# Altium PCB CRIB.PcbDoc (part 3 of 3)
Units mm, origin at the board's own origin, x right, y up, seen from the top; angles counter-clockwise.
Board outline 75 x 90 mm, 4 copper layers (L1 - Primary, L2 - GND, L3 - GND, L4 - Secondary), stack 1.57 mm thick; 249 components, 139 nets, 718 pads, 392 vias.
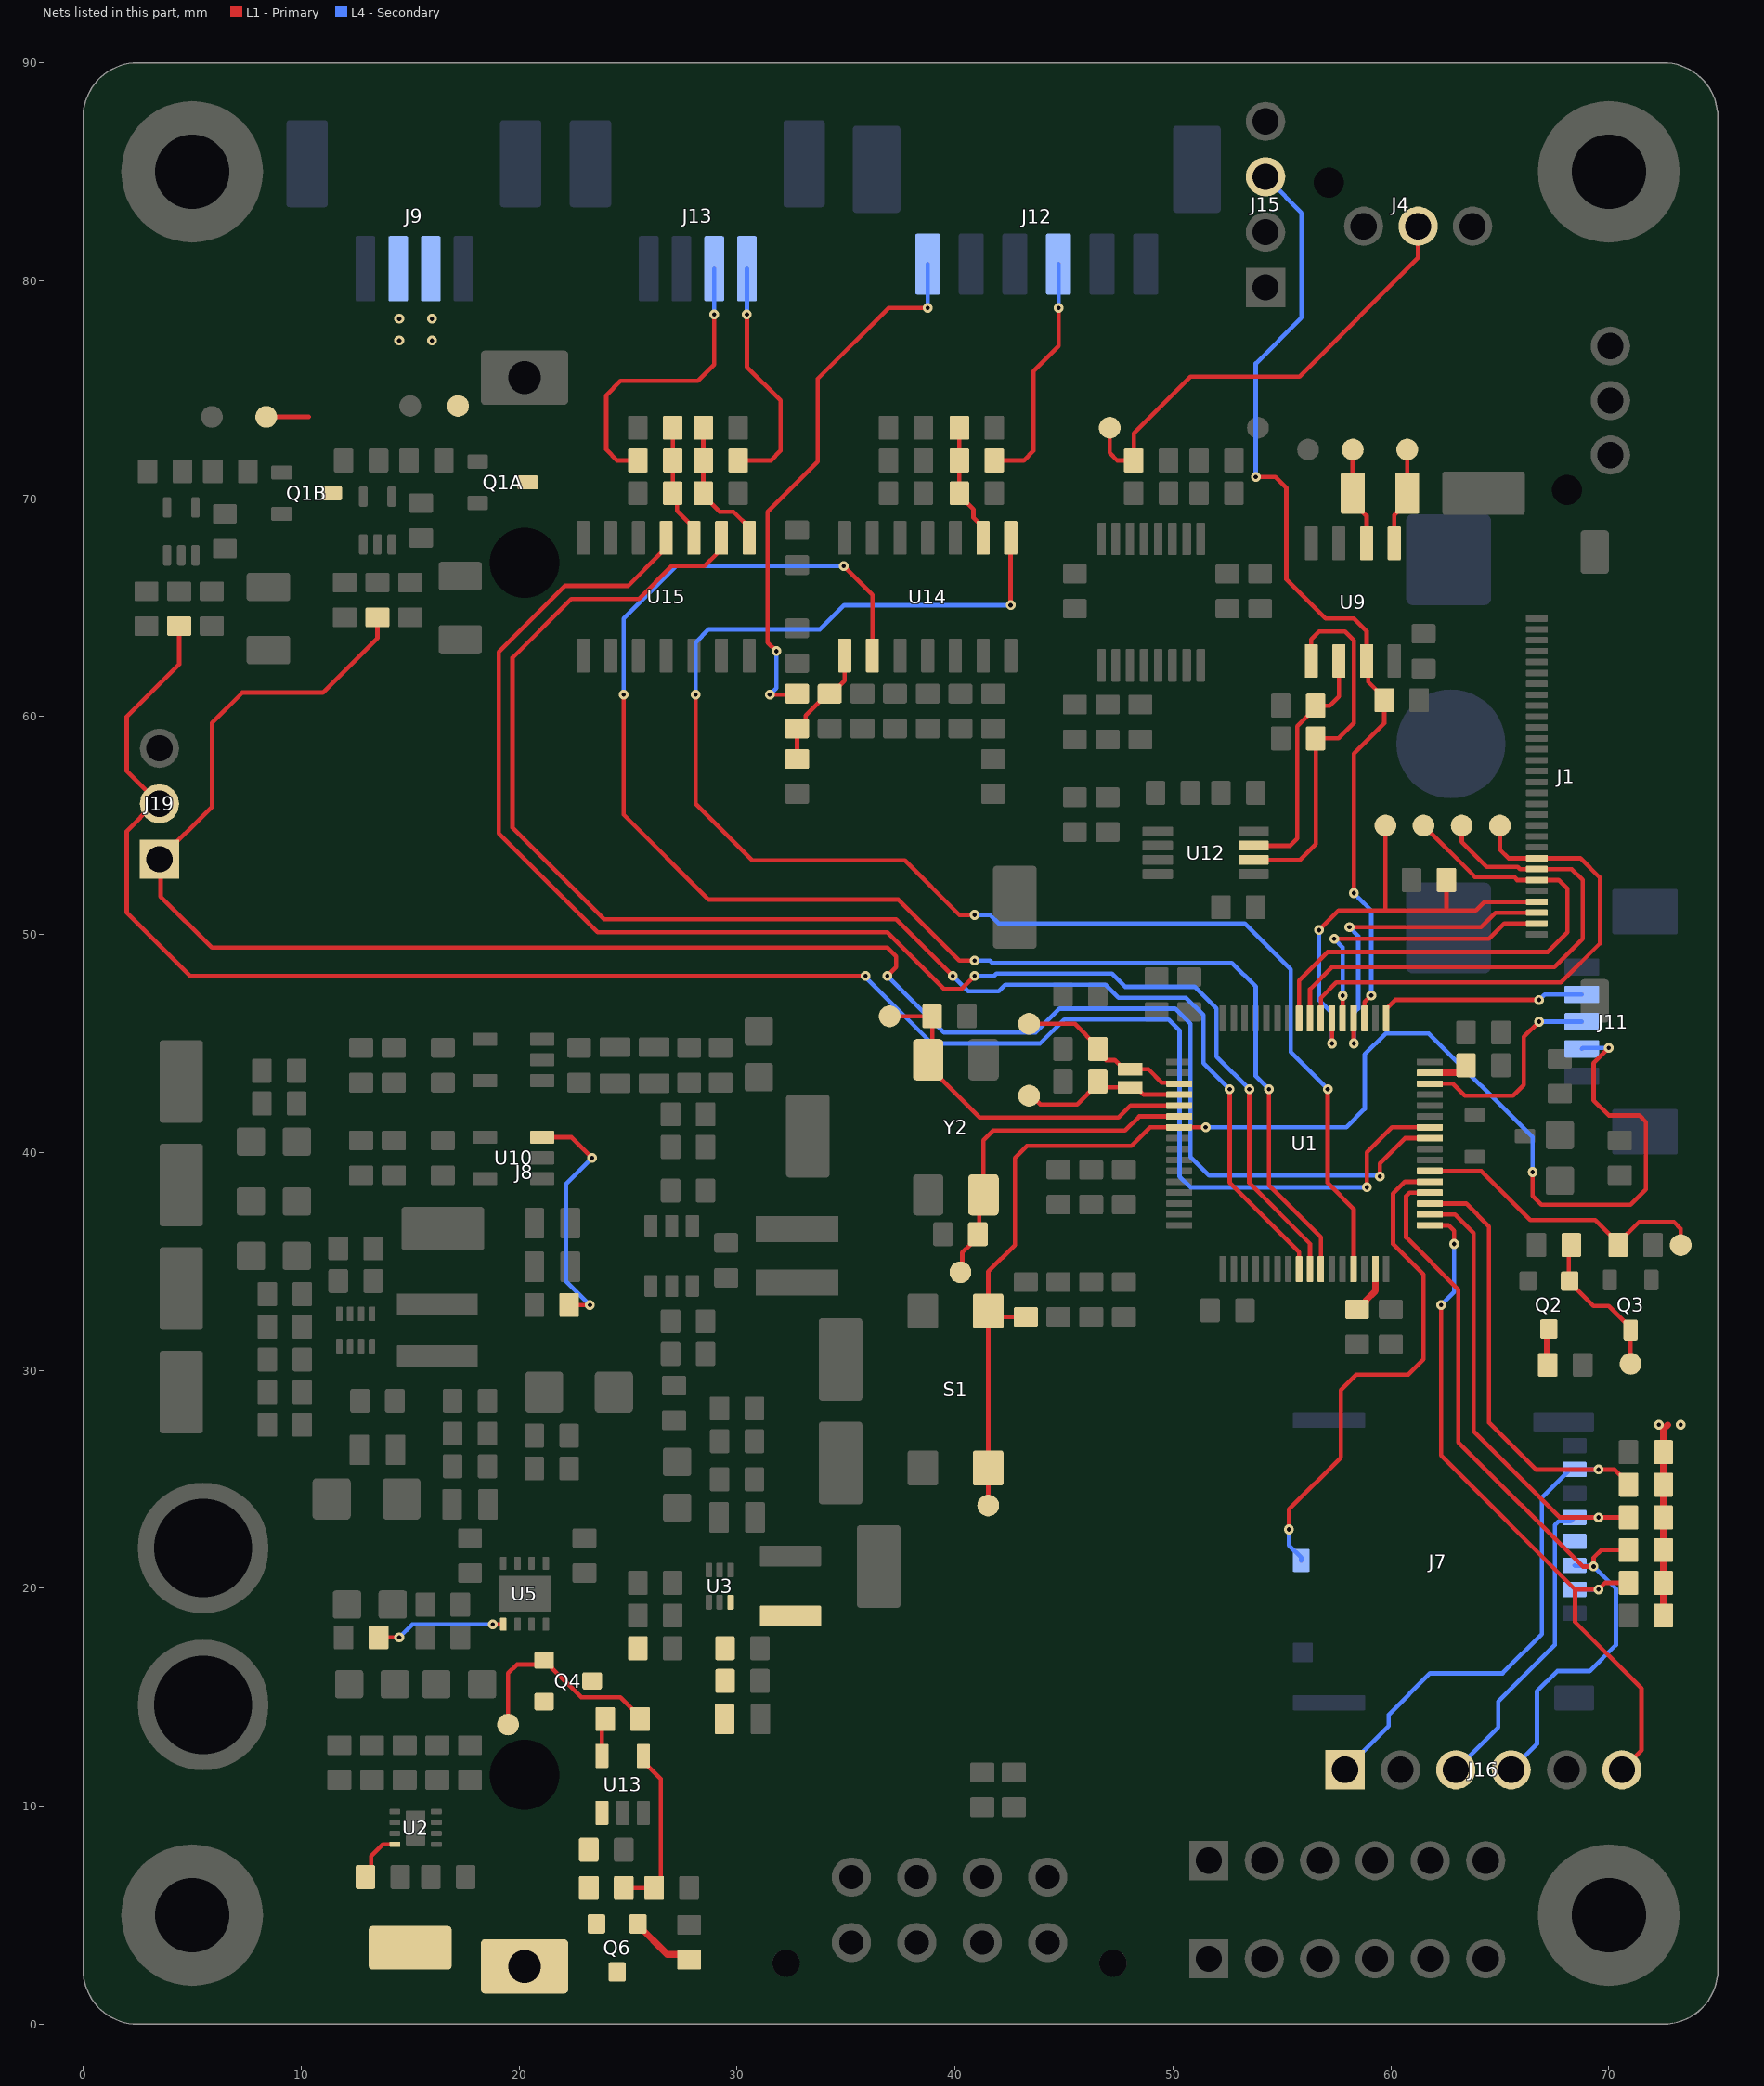
[diagram p5: the nets of this part, all layers, seen from the top]

## Via types
v1: diameter 0.45, hole 0.2, L1 - Primary to L4 - Secondary, tented both sides, 360 vias
v2: diameter 0.6, hole 0.3, L1 - Primary to L4 - Secondary, tented both sides, 32 vias

## Nets (pads, with @x,y where several pads share a name; then routed paths per layer and width w, separated by ;. In a path a pad name is that pad's centre, name@x,y a point inside that pad or via, vN(x,y) a via of type N, cw(c..) or ccw(c..) an arc to the next point about the centre after c; other vN are vias at no path point) (continued)
NetR35_2: R35.2 U10.3 | length 11.3
  L1 - Primary w0.2: U10.3@21.06,40.7 22.4,40.7 v1(23.35,39.75) ; R35.2@22.3,33 v1(23.25,33)
  L4 - Secondary w0.2: v1(23.25,33) 22.16,34.09 22.16,38.56 23,39.4 v1(23.35,39.75)
NRST: J11.4 R52.2 S1.1 S1.2 TP13.1 U1.7 | length 66.1
  L1 - Primary w0.2: TP13.1@41.526,23.8 S1.1@41.526,25.52 S1.2@41.526,32.72 ; R52.2@43.25,32.45 41.796,32.45 S1.2@41.526,32.72 ; v1(51.5,41.154) U1.7@50.288,41.154 48.954,41.154 48.1,40.3 43.3,40.3 42.75,39.75 42.75,35.75 41.526,34.526 S1.2@41.526,32.72 ; v1(66.5,39.1) 66.5,38 66.9,37.6 71,37.6 71.7,38.3 71.7,41.4 71.4,41.7 70,41.7 69.3,42.4 69.3,44.1 v1(70,44.8)
  L4 - Secondary w0.2: v1(51.5,41.154) 57.954,41.154 58.8,42 58.8,44.5 59.762,45.462 61.738,45.462 66.5,40.7 v1(66.5,39.1) ; J11.4@68.761,44.75 68.811,44.8 v1(70,44.8)
OSC32-IN: C53.2 TP14.1 U1.3 Y1.1 | length 8
  L1 - Primary w0.2: TP14.1@43.4,45.9 45.5,45.9 46.55,44.85 C53.2@46.55,44.75 ; C53.2@46.588,44.654 46.588,44.584 46.938,44.234 47.338,44.234 47.756,43.817 Y1.1@48.038,43.817 48.876,43.817 49.489,43.204 50.238,43.204 U1.3@50.288,43.154
OSC32-OUT: C54.2 TP15.1 U1.4 Y1.2 | length 7.7
  L1 - Primary w0.2: TP15.1@43.4,42.6 43.517,42.6 43.917,42.2 45.6,42.2 46.55,43.15 C54.2@46.55,43.25 ; C54.2@46.588,43.154 46.751,42.992 Y1.2@48.038,42.992 48.321,42.992 48.659,42.654 U1.4@50.288,42.654
OSC-IN: C51.2 TP17.1 U1.5 Y2.3 | length 16.9
  L1 - Primary w0.2: TP17.1@37,46.25 C51.2@38.95,46.25 ; C51.2@38.961,46.127 38.961,44.447 Y2.3@38.768,44.254 38.768,43.964 41.132,41.6 47.5,41.6 48.054,42.154 U1.5@50.288,42.154
OSC-OUT: C52.2 TP16.1 U1.6 Y2.1 | length 16
  L1 - Primary w0.2: TP16.1@40.25,34.5 40.334,34.584 40.334,35.4 40.7,35.766 40.7,35.8 41.054,36.154 41.088,36.154 41.116,36.182 41.116,37.862 Y2.1@41.308,38.054 41.308,40.558 41.756,41.006 47.806,41.006 48.454,41.654 U1.6@50.288,41.654
RED_LAMP_SW: J13.3 R58D.1 | length 14.1
  L1 - Primary w0.2: R58D.1@25.45,71.75 24.5,71.75 24,72.25 24,74.75 24.65,75.4 28.2,75.4 28.95,76.15 v1(28.95,78.45)
  L4 - Secondary w0.2: v1(28.95,78.45) J13.3@28.95,80.55
RED_LAMP_SW_DB: C60D.2 R58D.2 R62D.1 U15.3 | length 5.5
  L1 - Primary w0.2: R62D.1@27.05,73.25 R58D.2@27.05,71.75 C60D.2@27.05,70.25 27.25,70.05 27.25,69.445 28.02,68.675 U15.3@28.02,68.2
RED_LAMP_SW_TRIG: U1.25 U15.4 | length 69.1
  L1 - Primary w0.2: U15.4@26.745,68.234 26.745,67.72 26.55,67.525 26.525,67.525 25,66 22.1,66 21.05,64.95 19.064,62.964 19.064,54.636 23.6,50.1 36.9,50.1 39.5,47.5 40.3,47.5 v1(40.9,48.1) ; v1(53.5,42.9) 53.5,38.6 56.288,35.812 U1.25@56.288,34.654
  L4 - Secondary w0.2: v1(40.9,48.1) 41.8,48.1 41.9,48.2 47.2,48.2 47.8,47.6 51,47.6 52,46.6 52,44.4 v1(53.5,42.9)
RED_LED_CATHODE: J9.2 Q1B.3 TP23B.1 | length 2
  L1 - Primary w0.2: TP23B.1@8.4,73.75 10.35,73.75
  other v1: 14.5,77.25 14.5,78.25
RED_LED_PWM: J19.2 R41B.1 U1.42 | length 87.5
  L1 - Primary w0.2: J19.2@3.55,56 J19.2@3.5,56 ; R41B.1@4.4,64.15 4.4,62.4 2,60 2,57.5 J19.2@3.5,56 ; v1(35.9,48.1) 4.9,48.1 2,51 2,54.75 3.25,56 J19.2@3.5,56 ; v1(58.9,38.4) 58.9,40 60.054,41.154 U1.42@61.788,41.154
  L4 - Secondary w0.2: v1@35.904,48.028 38.932,45 43.907,45 45.007,46.1 49.8,46.1 50.3,45.6 50.3,38.9 50.8,38.4 v1(58.9,38.4)
RIGHT_BTN: J12.4 R58E.1 | length 11
  L1 - Primary w0.2: R58E.1@41.8,71.75 43.15,71.75 43.6,72.2 43.6,75.85 44.75,77 v1(44.75,78.75)
  L4 - Secondary w0.2: v1(44.75,78.75) J12.4@44.75,80.761
RIGHT_BTN_DB: C60E.2 R58E.2 R62E.1 U14.9 | length 5.4
  L1 - Primary w0.2: C60E.2@40.2,70.15 40.85,69.5 40.85,69.115 41.29,68.675 U14.9@41.29,68.2 ; C60E.2@40.2,70.25 R62E.1@40.2,73.25
RIGHT_BTN_TRIG: U1.29 U14.8 | length 71
  L1 - Primary w0.2: v1(28.1,61) 28.1,56 30.7,53.4 37.7,53.4 40.2,50.9 v1(40.9,50.9) ; v1(42.553,65.11) U14.8@42.553,68.2 ; v1(57.1,42.9) 57.1,38.6 58.288,37.412 U1.29@58.288,34.654
  L4 - Secondary w0.2: v1(28.1,61) 28.1,63.4 28.7,64 33.8,64 34.91,65.11 v1(42.553,65.11) ; v1(40.9,50.9) 41.6,50.9 42,50.5 53.3,50.5 55.4,48.4 55.4,44.6 v1(57.1,42.9)
RIGHT_THROTTLE: J4.2 R28.1 TP10.1 | length 21.5
  L1 - Primary w0.2: TP10.1@47.1,73.25 47.1,72.1 47.45,71.75 R28.1@48.2,71.75 48.2,73 50.8,75.6 55.8,75.6 61.25,81.05 J4.2@61.25,82.5
RTC_IRQ_n: J15.3 R34.1 U1.51 U9.7 | length 44.5
  L1 - Primary w0.2: v1(53.8,71) 54.7,71 55.2,70.5 55.2,66.3 57,64.5 58.3,64.5 58.885,63.915 U9.7@58.885,62.55 58.958,62.477 58.958,61.592 59.7,60.85 R34.1@59.7,60.75 59.7,59.7 58.3,58.3 v1(58.3,51.9) ; U1.51@58.788,46.154 58.797,46.163 58.797,46.897 v1(59.1,47.2)
  L4 - Secondary w0.2: v1(53.8,71) 53.8,76.2 55.9,78.3 55.9,83.12 54.42,84.6 J15.3@54.3,84.6 ; 58.5,51.7 59.1,51.1 v1(59.1,47.2)
RTC_OSCI: TP18.1 U9.1 Y3.1 | length 4.5
  L1 - Primary w0.2: U9.1@60.155,67.95 60.155,69.255 60.75,69.85 Y3.1@60.75,70.25 TP18.1@60.75,72.25
RTC_OSCO: TP19.1 U9.2 Y3.2 | length 4.6
  L1 - Primary w0.2: TP19.1@58.25,72.25 Y3.2@58.25,70.25 58.25,69.85 58.885,69.215 U9.2@58.885,67.95
RTC_SCL: R51.1 U9.6 U12.7 | length 11.5
  L1 - Primary w0.2: U12.7@53.7,54.075 55.375,54.075 55.7,54.4 55.7,59.55 56.55,60.4 R51.1@56.55,60.5 57.2,60.5 57.615,60.915 U9.6@57.615,62.55
RTC_SDA: R50.1 U9.5 U12.6 | length 17.1
  L1 - Primary w0.2: U12.6@53.7,53.425 55.825,53.425 56.55,54.15 R50.1@56.55,59 57.6,59 58.3,59.7 58.3,63.5 57.9,63.9 56.7,63.9 56.345,63.545 U9.5@56.345,62.55
SD_CD: J7.9 U1.37 | length 23.5
  L1 - Primary w0.2: v1(55.325,22.7) 55.325,23.625 57.7,26 57.7,29.1 58.4,29.8 60.8,29.8 61.5,30.5 61.5,34.4 60.1,35.8 60.1,38.1 60.654,38.654 U1.37@61.788,38.654
  L4 - Secondary w0.2: v1(55.325,22.7) 55.325,21.97 55.885,21.41 J7.9@55.885,21.275
SD_CS_n: J7.2 J16.6 R36.1 U1.33 | length 34.3
  L1 - Primary w0.2: U1.33@61.788,36.654 62.646,36.654 62.9,36.4 v1(62.9,35.8) ; v1(62.3,33) 62.3,26.1 68.45,19.95 ; J16.6@70.6,11.675 71.5,12.575 71.5,15.4 68.45,18.45 68.45,19.95 ; R36.1@71.2,20.25 69.825,20.25 v1(69.525,19.95) 68.45,19.95
  L4 - Secondary w0.2: v1(62.3,33) 62.9,33.6 v1(62.9,35.8) ; J7.2@68.425,19.95 v1(69.525,19.95)
SD_EN: R56.1 TP21.1 U1.38 | length 13.8
  L1 - Primary w0.2: U1.38@61.788,39.154 64.146,39.154 66.4,36.9 69.375,36.9 70.075,36.2 R56.1@70.137,36.138 ; R56.1@70.425,35.75 70.425,35.85 71.375,36.8 73,36.8 73.3,36.5 TP21.1@73.3,35.75
SD_MISO: J7.7 J16.1 R68.1 U1.35 | length 41.4
  L1 - Primary w0.2: U1.35@61.788,37.654 63.446,37.654 64.5,36.6 64.5,27.6 66.65,25.45 70.25,25.45 70.5,25.2 70.55,25.2 70.583,25.167 70.583,25.117 70.85,25.117 R68.1@71.2,24.767
  L4 - Secondary w0.2: J16.1@57.9,11.675 59.9,13.675 59.9,14.2 61.8,16.1 65.125,16.1 66.925,17.9 66.925,24.15 68.225,25.45 J7.7@68.425,25.45 v1(69.525,25.45)
SD_MOSI: J7.3 J16.4 R69.1 U1.36 | length 37.7
  L1 - Primary w0.2: U1.36@61.788,38.154 60.854,38.154 60.7,38 60.7,36.1 63.1,33.7 63.1,26.7 68.8,21 v1(69.3,21) 69.3,21.4 69.65,21.75 R69.1@70.9,21.75
  L4 - Secondary w0.2: J16.4@65.52,11.675 66.7,12.855 66.7,15.275 67.625,16.2 69.125,16.2 70.325,17.4 70.325,19.975 69.275,21.025 68.45,21.025 J7.3@68.425,21.05
SD_SCK: J7.5 J16.3 R70.1 U1.34 | length 35.8
  L1 - Primary w0.2: U1.34@61.788,37.154 62.946,37.154 63.8,36.3 63.8,27.2 67.75,23.25 v1(69.525,23.25) R70.1@71.2,23.25
  L4 - Secondary w0.2: J16.3@62.98,11.675 64.925,13.62 64.925,14.8 67.525,17.4 67.525,22.9 67.703,23.078 68.253,23.078 J7.5@68.425,23.25 v1(69.525,23.25)
SD_SW_G: Q2.1 Q3.3 R49.1 TP20.1 | length 7.1
  L1 - Primary w0.2: R49.1@68.256,35.744 68.165,35.652 68.165,34.103 68.156,34.094 68.156,34.044 68.456,33.744 68.506,33.744 69.294,32.956 69.994,32.956 70.956,31.994 Q3.3@70.956,31.844 ; TP20.1@71,30.3 Q3.3@71,31.85
SD_VCC: C41.2 J7.4 Q2.3 R36.2 R66.1 R67.1 R68.2 R69.2 R70.2 | length 10.7
  L1 - Primary w0.3: Q2.3@67.206,31.894 67.168,31.857 67.168,30.168 C41.2@67.231,30.106 ; R67.1@72.5,18.75 R36.2@72.5,20.25 R66.1@72.5,26.25 72.5,27.3 72.7,27.5
  other v1: 72.3,27.5 73.3,27.5
SWCLK: J11.2 U1.49 | length 9.7
  L1 - Primary w0.2: U1.49@59.788,46.154 59.788,46.604 59.838,46.654 59.854,46.654 60.2,47 v1(66.8,47)
  L4 - Secondary w0.2: v1(66.8,47) 67.05,47.25 J11.2@68.761,47.25
SWDIO: J11.3 U1.46 | length 9.9
  L1 - Primary w0.2: U1.46@61.788,43.154 62.846,43.154 63.4,42.6 65.6,42.6 66.1,43.1 66.1,45.3 v1(66.8,46)
  L4 - Secondary w0.2: v1(66.8,46) J11.3@68.761,46
TFT_CS_n: J1.4 R33.1 TP31.1 U1.54 | length 22.5
  L1 - Primary w0.2: v1(56.7,50.2) 57.6,51.1 59.7,51.1 ; U1.54@57.288,46.154 57.294,46.148 57.294,45.006 v1(57.3,45) ; TP31.1@59.75,55 59.75,51.15 59.7,51.1 ; R33.1@62.55,52.5 62.55,51.15 62.5,51.1 ; J1.4@66.7,51.5 64.3,51.5 63.9,51.1 62.5,51.1 ; 59.7,51.1 62.5,51.1
  L4 - Secondary w0.2: v1(56.7,50.2) 56.7,47 57.3,46.4 v1(57.3,45)
TFT_INT_n: J1.3 U1.52 | length 15.6
  L1 - Primary w0.2: v1(58.1,50.335) 64.135,50.335 64.8,51 J1.3@66.7,51 ; U1.52@58.288,46.154 58.294,46.148 58.294,45.006 v1(58.3,45)
  L4 - Secondary w0.2: v1(58.1,50.335) 58.5,49.935 58.5,46.6 58.3,46.4 v1(58.3,45)
TFT_MISO: J1.7 TP33.1 U1.56 | length 24.5
  L1 - Primary w0.2: U1.56@56.288,46.154 56.288,47.488 57.3,48.5 67.5,48.5 68.8,49.8 68.8,52.5 68.3,53 J1.7@66.7,53 65.925,53 65.825,53.1 64.4,53.1 63.25,54.25 TP33.1@63.25,55
TFT_MOSI: J1.6 TP32.1 U1.57 | length 24.8
  L1 - Primary w0.2: U1.57@55.788,46.154 55.788,47.888 57.1,49.2 67.2,49.2 68.1,50.1 68.1,52.1 67.7,52.5 J1.6@66.7,52.5 65.792,52.5 65.642,52.65 63.85,52.65 TP32.1@61.5,55
TFT_RST_n: J1.2 U1.53 | length 13.4
  L1 - Primary w0.2: v1(57.4,49.8) 64.5,49.8 65.2,50.5 J1.2@66.7,50.5 ; U1.53@57.788,46.154 57.794,46.16 v1(57.794,47.194)
  L4 - Secondary w0.2: v1(57.4,49.8) 57.794,49.406 v1(57.794,47.194)
TFT_SCK: J1.8 TP30.1 U1.55 | length 23.7
  L1 - Primary w0.2: U1.55@56.8,46.5 56.788,46.512 56.788,47.088 57.5,47.8 67.8,47.8 69.6,49.6 69.6,52.6 68.7,53.5 J1.8@66.7,53.5 65.4,53.5 65,53.9 TP30.1@65,55
UP_BTN: J12.1 R58F.1 | length 25.4
  L1 - Primary w0.2: v1(31.5,61) 32.7,61 R58F.1@32.75,61.05 ; v1(31.8,63) 31.4,63.4 31.4,69.4 33.7,71.7 33.7,75.5 36.95,78.75 v1(38.75,78.75)
  L4 - Secondary w0.2: v1(31.5,61) 31.8,61.3 v1(31.8,63) ; v1(38.75,78.75) J12.1@38.75,80.761
UP_BTN_DB: C60F.2 R58F.2 R62F.1 U14.1 | length 5.7
  L1 - Primary w0.2: R62F.1@32.75,58.05 R58F.2@32.75,59.45 ; R58F.2@32.792,59.45 33.142,59.8 33.142,60.042 34.15,61.05 C60F.2@34.25,61.05 ; C60F.2@34.35,61.05 34.94,61.64 U14.1@34.94,62.8
UP_BTN_TRIG: U1.26 U14.2 | length 71.2
  L1 - Primary w0.2: v1(24.8,61) 24.8,55.5 28.7,51.6 37.4,51.6 40.2,48.8 v1(40.9,48.8) ; v1(34.9,66.9) 36.217,65.583 U14.2@36.217,62.8 ; v1(54.4,42.9) 54.4,38.5 56.788,36.112 U1.26@56.788,34.654
  L4 - Secondary w0.2: v1(24.8,61) 24.8,64.5 27.2,66.9 v1(34.9,66.9) ; v1(40.9,48.8) 41.6,48.8 41.7,48.7 52.7,48.7 53.8,47.6 53.8,43.5 v1(54.4,42.9)
VBAT_3V6: C2.2 C63.2 Q4.2 Q6.2 R60.2 TP4.1 U2.8 U13.1 | length 2.4
  L1 - Primary w0.2: C2.2@12.95,6.75 13.211,7.011 13.211,7.711 13.75,8.25 U2.8@14.3,8.25
VBAT_DSG: C4.2 C5.2 C6.2 L1.1 Q4.3 R6.1 U3.3
VBAT_REF: R60.1 R61.2 U13.4 | length 7.9
  L1 - Primary w0.2: R60.1@24.8,6.25 R61.2@26.2,6.25 26.5,6.55 26.5,11.26 25.7,12.06 U13.4@25.7,12.31
VBAT_RP: J8.1 Q6.3
VBAT_RP_G: Q6.1 R65.2 | length 3.1
  L1 - Primary w0.3: Q6.1@25.45,4.6 25.45,4.55 26.8,3.2 27.55,3.2 R65.2@27.8,2.95
VBAT_SW_G: Q4.1 R59.2 TP9.1 | length 9.8
  L1 - Primary w0.2: TP9.1@19.5,13.75 19.5,16.1 19.9,16.5 20.95,16.5 Q4.1@21.15,16.7 ; Q4.1@21.2,16.7 21.5,16.4 21.5,16.35 22.85,15 24.65,15 25.55,14.1 R59.2@25.55,14
VBAT_UV: R59.1 U13.5 | length 1.8
  L1 - Primary w0.2: U13.5@23.8,12.31 23.8,13.85 R59.1@23.95,14
VCAP1: C64.2 U1.31 | length 2.3
  L1 - Primary w0.3: C64.2@58.45,32.8 58.55,32.8 58.85,33.1 58.85,33.2 59.288,33.638 U1.31@59.288,34.654
VCAP2: C65.2 U1.47 | length 1.8
  L1 - Primary w0.3: U1.47@61.788,43.654 63.15,43.654 63.45,43.954 C65.2@63.45,44
VSYS_STAT_n: R21.1 U5.1 | length 6
  L1 - Primary w0.2: R21.1@13.55,17.75 v1(14.5,17.75) ; v1(18.785,18.35) U5.1@19.275,18.35
  L4 - Secondary w0.2: v1(14.5,17.75) 15.1,18.35 v1(18.785,18.35)
WHITE_LAMP_SW: J13.4 R58G.1 | length 11.1
  L1 - Primary w0.2: R58G.1@30.05,71.75 31.55,71.75 32,72.2 32,74.5 30.45,76.05 v1(30.45,78.45)
  L4 - Secondary w0.2: v1(30.45,78.45) J13.4@30.45,80.55
WHITE_LAMP_SW_DB: C60G.2 R58G.2 R62G.1 U15.1 | length 6.2
  L1 - Primary w0.2: C60G.2@28.45,70.15 29.2,69.4 29.835,69.4 30.56,68.675 U15.1@30.56,68.2 ; C60G.2@28.45,70.25 R62G.1@28.45,73.25
WHITE_LAMP_SW_TRIG: U1.24 U15.2 | length 69
  L1 - Primary w0.2: U15.2@29.285,68.234 29.09,68.04 29.09,67.49 28.5,66.9 27,66.9 25.5,65.4 22.4,65.4 19.7,62.7 19.7,54.9 23.9,50.7 37.3,50.7 v1(39.9,48.1) ; v1(52.6,42.9) 52.6,38.619 55.788,35.432 U1.24@55.788,34.654
  L4 - Secondary w0.2: v1(39.9,48.1) 40.6,47.4 42,47.4 42.3,47.7 46.9,47.7 47.5,47.1 50.6,47.1 51.4,46.3 51.4,44.1 v1(52.6,42.9)
WHITE_LED_CATHODE: J9.3 Q1A.3 TP23A.1
  other v1: 16,77.25 16,78.25
WHITE_LED_PWM: J19.1 R41A.1 U1.41 | length 89.3
  L1 - Primary w0.2: J19.1@3.5,53.46 5.9,55.86 5.9,59.7 7.3,61.1 11,61.1 13.5,63.6 R41A.1@13.5,64.55 ; J19.1@3.55,53.46 3.55,51.75 5.9,49.4 36.9,49.4 37.3,49 37.3,48.5 v1(36.9,48.1) ; v1(59.5,38.9) 59.5,39.5 60.654,40.654 U1.41@61.788,40.654
  L4 - Secondary w0.2: v1(36.9,48.1) 39.5,45.5 43.7,45.5 44.8,46.6 50.1,46.6 50.8,45.9 50.8,39.8 51.665,38.935 59.465,38.935 v1(59.5,38.9)
pads on no net: J1.10 J1.12 J1.14 J1.15 J1.16 J1.18 J1.19 J1.20 J1.22 J1.23 J1.28 J1.29 J3.MH1 J3.MH2 J4.0 J5.0 J8.0 J14.2 J14.3 J14.6 J18.2 J18.3 J18.6 MH1.0 MH2.0 MH3.0 MH4.0 U1.2 U1.8 U1.9 U1.10 U1.11 U1.15 U1.23 U1.40 U1.43 U1.44 U1.45 U1.50 U5.2 U7.6 U7.7 U7.14 U13.3 U14.12 U14.13 U15.5 U15.6 U15.8 U15.9 U15.10 U15.11 U15.12 U15.13
copper on no net:
  other v2: 5,2.5 70,2.5 3.232,3.232 6.768,3.232 68.232,3.232 71.768,3.232 2.5,5 7.5,5 67.5,5 72.5,5 3.232,6.768 6.768,6.768 68.232,6.768 71.768,6.768 5,7.5 70,7.5 5,82.5 70,82.5 3.232,83.232 6.768,83.232 68.232,83.232 71.768,83.232 2.5,85 7.5,85 67.5,85 72.5,85 3.232,86.768 6.768,86.768 68.232,86.768 71.768,86.768 5,87.5 70,87.5

## Polygon pours and split planes (outlines as drawn)
5V_SYS on L1 - Primary "NONET_L03_P-001" (solid, pour order 80): 67.5,62.25 67.5,63.25 65.75,63.25 65.5,63.5 64.25,63.5 64.25,62 65.5,62 65.75,62.25 67.25,62.25
SD_VCC on L1 - Primary "NONET_L03_P-001" (solid, pour order 84): 71.75,27.25 71.75,27.75 71.25,28.25 66.5,28.25 66.5,31.013 68,31.013 68,29.25 72.75,29.25 73.75,28.25 73.75,27.25
WHITE_LED_CATHODE on L1 - Primary "NONET_L03_P-001" (solid, pour order 97): 17.5,75.25 16.75,76 16.75,78.5 15.25,78.5 15.25,75.25 16.5,74 17.5,73 18.25,73 19.5,71.75 19.5,70.25 21.25,70.25 21.25,71.5
RED_LED_CATHODE on L1 - Primary "NONET_L03_P-001" (solid, pour order 96): 10.75,69.5 10.25,70 10.25,75.75 13,78.5 15,78.5 15,77 13.75,77 11.25,74.5 11.25,70.75 12,70.75 12,69.5
GND on L1 - Primary "NONET_L03_P-001" (solid, pour order 43): 18.75,64.5 18.75,62.5 15.5,62.5 15.5,64.5
LED_DRIVE_CSA on L1 - Primary "NONET_L03_P-001" (solid, pour order 42): 16.5,65.75 16.5,67.5 17.5,68.5 17.5,70.25 18.75,70.25 18.75,68 18.5,67.75 18.5,65.75
GND on L1 - Primary "NONET_L03_P-001" (solid, pour order 41): 9.75,64 9.75,62 6.75,62 6.75,64
LED_DRIVE_CSB on L1 - Primary "NONET_L03_P-001" (solid, pour order 40): 7.5,65.25 7.5,67 8.5,68 8.5,69.75 9.75,69.75 9.75,67.5 9.5,67.25 9.5,65.25
5V4 on L1 - Primary "5V4_L01_P-063" (solid, pour order 72): 19.75,30.5 18.75,31.5 14.25,31.5 14.25,30.25 14.75,29.75 17.75,29.75 18,29.5 18,22.875 17.125,22.875 17.125,21.5 18.5,21.5 18.5,20.75 19.75,20.75
5V_SYS on L1 - Primary "5V_SYS_L01_P-065" (solid, pour order 71): 23.75,32 23.75,40.25 21.75,42.25 20.25,42.25 20.25,43.75 28.5,43.75 28.5,42.5 26.25,42.5 25.25,41.5 25.25,32.5 26.5,32.5 26.5,34.5 27.5,34.5 27.5,30 26.25,30 26.25,30.5 22.75,30.5 22.25,30 22.25,28.25 21.5,27.5 21.5,23.788 20.5,22.788 20.5,22.25 20.25,22.25 20.25,20.75 19.75,20.75 19.75,23.75 20,24 20,30.25 21.75,32
GND on L1 - Primary "L1 - Primary-GND 1" (solid, pour order 70): 18.75,19 18.75,19.75 18.5,20 15.75,20 15.75,21.5 18.5,21.5 18.5,20.75 21,20.75 21,21.5 22.125,21.5 23.75,21.5 23.75,19.375 22.125,19.375 21.75,19
5V0 on L1 - Primary "5V0_L01_P-023" (solid, pour order 27): 28.25,25.5 28.5,25.75 28.5,27.5 29.95,27.5 29.95,23.1 28.95,22.1 28.95,20.35 28.45,20.35 28.45,22.75 26.75,22.75 25.75,21.75 21,21.75 21,20.75 20.4,20.75 20.4,22.4 22,24 24,24 26,24 26.5,24.5 26.5,25.5
5V4_SW on L1 - Primary "NONET_L03_P-001" (solid, pour order 60): 13.5,32.1 13,32.1 13,33.35 12.75,33.6 12.75,34.6 14,34.6 14.5,34.1 18.25,34.1 18.25,32.35 13.75,32.35
12V on L1 - Primary "NONET_L03_P-001" (solid, pour order 45): 1.5,25.5 3,27 3,31.25 6,31.25 6,26.75 7,25.75 10.9,25.75 11.75,26.6 11.75,29.1 12.5,29.85 12.5,31.6 13,31.6 13,29.6 13.25,29.35 13.25,22.85 10.25,22.85 9.75,22.35 9.75,18.75 1.5,18.75
5V0_SW on L1 - Primary "5V0_SW_L01_P-021" (solid, pour order 25): 28.95,21.35 29.45,21.35 29.45,20.35 30.45,20.35 30.75,20.65 30.75,22.1 33.95,22.1 33.95,20.6 31.95,20.6 31.2,19.85 28.95,19.85
VBAT_DSG on L1 - Primary "VBAT_DSG_L01_P-020" (solid, pour order 22): 26.5,14.7 26.5,12.85 28.35,12.85 30.2,12.85 30.2,17.95 30.35,18.1 34.2,18.1 34.2,19.35 30.2,19.35 29.95,19.6 29.45,19.6 29.45,18.6 28.5,17.65 28.5,16.5 28.25,16.25 26,16.25 26,17.75 23,17.75 22.75,17.5 22.75,15.5 23,15.25 25.95,15.25
5V4 on L1 - Primary "NONET_L03_P-001" (solid, pour order 68): 18.75,6 17,6 17,7.25 16.25,8 16,8 15.75,8 15.75,8.5 18,8.5 18.75,7.75
GND on L1 - Primary "GND_L01_P-007" (solid, pour order 17): 14.75,5.25 14.5,5.25 13.75,6 13.75,7.25 14,7.5 14.75,7.5 14.75,10 16.5,10 16.5,9.5 15.75,9.5 15.75,7.5 16.5,7.5 16.75,7.25 16.75,6 16,5.25
GND on L1 - Primary "NONET_L03_P-001" (solid, pour order 113): 44,49 41.5,49 41.5,54 44,54
GND on L1 - Primary "NONET_L03_P-001" (solid, pour order 112): 62,69 66.5,69 66.5,72.25 62,72.25
GND on L1 - Primary "NONET_L03_P-001" (solid, pour order 111): 14.25,37.75 18.75,37.75 18.75,34.75 14.25,34.75
3V3L on L1 - Primary "NONET_L03_P-001" (solid, pour order 110): 3.5,41.25 3,41.75 3,45.5 6.5,45.5 6.5,41.75 6,41.25 5.25,41.25
3V3 on L1 - Primary "NONET_L03_P-001" (solid, pour order 38): 48.5,67.5 48.25,67.25 44.25,67.25 44.25,66 48.75,66 49,66.25 49,69 48.5,69
3V3 on L1 - Primary "NONET_L03_P-001" (solid, pour order 107): 32,69.25 32.5,69.75 34.75,69.75 35.25,69.25 35.25,67.5 34.5,67.5 34.25,67.25 34.25,61.75 31,61.75 31,58 32,57 35,57 35,60 36.5,60 36.5,57 42.5,57 44,55.5 44,54.4 42.9,54.4 41.55,55.75 31.25,55.75 30,57 30,63.75 31,63.75 31,63.325 31.325,63 33.5,63 33.5,68 32,68
GND on L1 - Primary "NONET_L03_P-001" (solid, pour order 36): 56.967,68.74 56.967,66.74 57.467,66.24 62.967,66.24 62.967,63.24 60.967,63.24 60.967,63.49 59.708,64.75 57.25,64.75 55.967,66.033 55.967,68.74
3V3 on L1 - Primary "NONET_L03_P-001" (solid, pour order 106): 48.5,54.5 50,54.5 50,55.25 49.75,55.5 49.75,59.5 44.75,59.5 44.75,58.25 48.25,58.25 48.5,58
GND on L1 - Primary "GND_L01_P-001" (solid, pour order 15): 22,37.25 21.75,37 21.75,33.75 23.5,33.75 23.5,39 22.25,40.25 17.75,40.25 16.75,41.25 15.25,41.25 15.25,39.75 17.15,39.75 17.65,39.25 22,39.25 22,37.5
GND on L1 - Primary "GND_L01_P-006" (solid, pour order 16): 52.979,55.747 52,54.768 51.991,52.759 51.729,52.497 48.729,52.497 48.729,52.997 50.229,52.997 50.479,53.247 50.479,57.747 52.979,57.747
5V0 on L1 - Primary "NONET_L03_P-001" (solid, pour order 92): 33.5,28 36,28 36,23.5 33.5,23.5
5V_SYS on L1 - Primary "NONET_L03_P-001" (solid, pour order 91): 33.5,32.75 36,32.75 36,28.25 33.5,28.25
5V0L on L1 - Primary "NONET_L03_P-001" (solid, pour order 90): 6,36.5 3,36.5 3,40.75 6,40.75
5V4 on L1 - Primary "NONET_L03_P-001" (solid, pour order 89): 3,36 6,36 6,31.5 3,31.5
GND on L1 - Primary "NONET_L03_P-001" (solid, pour order 82): 68.5,68.75 68.5,66.25 70.75,66.25 70.75,48 68.5,48 68.5,45.75 73.75,45.75 73.75,68.75
3V3L on L1 - Primary "NONET_L03_P-001" (solid, pour order 79): 54.75,55.875 55.25,56.375 55.25,57.25 53,57.25 53,54.5 54.75,54.5
3V3L on L1 - Primary "NONET_L03_P-001" (solid, pour order 35): 62,61.54 62,60.25 60.75,59 60.75,57.25 60,56.5 58.7,56.5 58.7,57.5 59.75,57.5 60,57.75 60,59.25 60.75,60 60.75,61.534 60.745,61.54 59.717,61.54 59.717,63.49 60.717,63.49 60.717,63.24 61.217,62.74 62.967,62.74 62.967,61.54
5V0L on L1 - Primary "NONET_L03_P-001" (solid, pour order 37): 49.75,67 50,66.75 50.75,66.75 51,67 51,69 51.5,69 51.5,67.75 54.75,67.75 54.75,66 49.25,66 49,66.25 49,69 49.75,69
GND on L1 - Primary "NONET_L03_P-001" (solid, pour order 74): 25.75,24.25 26.25,24.75 26.25,30.25 23,30.25 23,28 22.25,28 21.75,27.5 21.75,24.25
GND on L1 - Primary "L1 - Primary-GND" (solid, pour order 64): 22.35,46.1 22,45.75 22,44.75 17.75,44.75 17.75,45.5 15.25,45.5 15.25,44.25 17.25,44.25 17.5,44 20.5,44 21.9,44 27,44 27,46.1
GND on L1 - Primary "GND_L01_P-017" (solid, pour order 11): 27.9,30.35 27.9,33.1 29.65,33.1 29.65,30.1 28.15,30.1
GND on L1 - Primary "GND_L01_P-004" (solid, pour order 13): 26.4,36.025 25.65,36.025 25.65,34.775 28.15,34.775 28.15,36.025 27.5,36.025 27.5,39.5 26.15,39.5 26.15,38.025 26.4,37.775
GND on L1 - Primary "GND_L01_P-022" (solid, pour order 28): 13.5,31.6 14,31.6 14,30.35 15,29.35 15.5,29.35 17.5,29.35 17.5,23 13.5,23 13.5,29.35 13.15,29.7 13.15,31.6
GND on L1 - Primary "GND_L01_P-009" (solid, pour order 24): 32.2,12.85 30.45,12.85 30.45,17.85 32.2,17.85
GND on L1 - Primary "NONET_L03_P-001" (solid, pour order 44): 26,8.75 25.25,8.75 25.25,10.75 24.25,10.75 24.25,7.25 26,7.25
GND on L1 - Primary "GND_L01_P-024" (solid, pour order 26): 37.25,23.25 37.75,23.75 37.75,26.5 39.25,26.5 39.25,23.25 38.75,22.75 38.75,19.25 38.25,18.75 35.25,18.75 35.25,22 35,22.25 32.05,22.25 31.95,22.35 30.95,22.35 30.45,21.85 30.45,20.35 29.45,20.35 29.45,22.1 30.2,22.85 30.2,29 31.95,29 31.95,23.25
VBAT_3V6 on L1 - Primary "NONET_L03_P-001" (solid, pour order 78): 20.25,15.5 20.25,14 20.75,13.5 20.75,11.25 19.5,10 19.5,6.5 18.75,5.75 17,5.75 16.25,5 14.25,5 13.5,5.75 13.5,7.5 12,7.5 12,4.75 12.75,4 12.75,2 17.25,2 17.25,4 17.75,4.5 22.25,4.5 22.75,4 24.25,4 24.25,5 24,5.25 24,8.25 24.25,8.5 24.25,10.25 23.25,11.25 23.25,14 21.75,15.5
VBAT_RP on L1 - Primary "NONET_L03_P-001" (solid, pour order 77): 18,4 22.25,4 22.5,3.75 25.25,3.75 25.25,0.5 18,0.5
3V3_SW on L1 - Primary "3V3_SW_L01_P-018" (solid, pour order 12): 29.475,33.275 34.65,33.275 34.65,35.025 28.65,35.025 28.225,34.6 27.4,34.6 27.4,33.275
3V3 on L1 - Primary "3V3_L01_P-008" (solid, pour order 14): 30.5,39.5 31.5,39.5 32.25,38.75 34.5,38.75 34.5,42.75 32,42.75 32,41.25 31.75,41 27.75,41 27.75,37.5 30,37.5 30.4,37.1 30.4,35.525 34.65,35.525 34.65,37.275 34.337,37.587 31.913,37.587 30.5,39
3V3 on L1 - Primary "NONET_L03_P-001" (solid, pour order 49): 13.5,14.85 13.5,16.85 17,16.85 17,14.85
5V4 on L1 - Primary "NONET_L03_P-001" (solid, pour order 73): 21.75,36.5 21.5,36.25 21.5,33.75 19.5,33.75 19.5,37.25 20.25,38 20.25,39.25 21.75,39.25
3V3L on L1 - Primary "3V3L_L01_P-002" (solid, pour order 2): 13.9,38 13.5,38 13.5,39.5 17.4,39.5 17.75,39.15 19,39.15 19,38
GND on L1 - Primary "NONET_L03_P-001" (solid, pour order 39): 51.5,63.5 51.75,63.75 54.75,63.75 54.75,65.5 44.75,65.5 44.75,63.75 48,63.75 48.25,63.5 48.25,61.5 49.75,61.5 49.75,63.5 50,63.75 50.75,63.75 51,63.5 51,61.5 51.5,61.5
5V0L on L1 - Primary "5V0L_L01_P-013" (solid, pour order 6): 19.25,43.85 19.25,42.5 13.5,42.5 13.5,43.85 17.5,43.85
GND on L4 - Secondary "NONET_L03_P-001" (solid, pour order 118): 70.25,39.75 73.25,39.75 73.25,44.75 70.25,44.75 70.25,44.25 70,44 67.75,44 67.75,43 70,43 70.25,42.75 70.25,42
GND on L4 - Secondary "NONET_L03_P-001" (solid, pour order 83): 70.25,49.25 73.25,49.25 73.25,53 70.25,53
3V3 on L4 - Secondary "L4 - Secondary-3V3" (solid, pour order 94): 62.5,46 61,46 59.5,47.5 59.5,53 51.25,53 49,55.25 49,56.25 48.75,56.5 46.3,56.5 44.2,54.4 43,54.4 43,55.75 44.5,57.25 48.75,57.25 48.75,58 49.75,58 49.75,55.75 51.5,54 61.5,54 61.5,53 60.25,53 60.25,47.75 60.75,47.25 64,47.25 65.75,49 69.75,49 69.75,48 66.25,48 65,46.75 65,45.25 69.75,40.5 69.75,38.5 66.75,35.5 66.75,34.25 63.75,31.25 59.75,31.25 58.25,29.75 56.75,29.75 55.25,31.25 53,31.25 47.25,37 36.75,37 35,38.75 27.75,38.75 27.75,40.25 35.5,40.25 37.5,38.25 48.5,38.25 48.75,38.5 48.75,45.75 49.75,45.75 49.75,36.5 54,32.25 55.75,32.25 57.25,30.75 57.75,30.75 59.25,32.25 63,32.25 65.5,34.75 65.5,36.25 68.5,39.25 68.5,40.5 63,46
GND on L4 - Secondary "NONET_L03_P-001" (solid, pour order 117): 25,6.75 32.25,6.75 33.75,5.25 36.75,5.25 36.75,16 39.25,18.5 39.25,23.5 32.5,23.5 32.5,27 32,27.5 31.25,27.5 29.5,25.75 29.5,24.25 26.75,21.5 26.75,16.5 25,15
GND on L4 - Secondary "NONET_L03_P-001" (solid, pour order 116): 17.5,5.5 12.25,5.5 10.75,7 10.75,14 12.75,14 17.5,9.25 17.5,7.75
GND on L4 - Secondary "NONET_L03_P-001" (solid, pour order 115): 10.5,37 18.5,37 18.5,25.25 16.5,23.25 13.75,23.25 10.5,26.5
GND on L4 - Secondary "NONET_L03_P-001" (solid, pour order 114): 26.25,33.5 29,30.75 29,30.5 29.75,30.5 29.75,33.25 28.25,34.75 28.25,35.25 27.5,36 27.5,39.5 24,39.5 22.75,38.25 22.75,34.25 23.75,33.25 23.75,32.5 20.75,32.5 20.75,24.25 19.5,23 19.5,21.25 14.25,21.25 14.25,18.75 19.5,18.75 20,18.25 24.5,18.25 24.75,18.5 24.75,24.25 26,25.5 26,30 25.75,30.25 24.75,30.25 24.75,32.75 25.5,33.5
GND on L4 - Secondary "NONET_L03_P-001" (solid, pour order 86): 56.725,16.535 55.975,16.535 55.975,15.25 58.975,15.25 58.975,13.5 54.5,13.5 54.5,17.75 56.725,17.75
3V0_COIN on L4 - Secondary "NONET_L03_P-001" (solid, pour order 104): 58.75,69 56.25,69 56.25,70 58.75,70 59,69.75 65,69.75 65,66.25 67.5,66.25 67.5,51.25 64.25,48 60.5,48 60.5,52.75 63.75,52.75 64.375,53.375 65.625,53.375 66.25,54 66.25,65 60.25,65 60.25,67.5
3V3L on L4 - Secondary "NONET_L03_P-001" (solid, pour order 102): 14.75,39.75 14.5,40 9.75,40 7,42.75 7,45 5.5,45 5.5,41.75 9,38.25 17,38.25 19,40.25 27.25,40.25 31.25,44.25 31.25,51.5 33.5,53.75 40.5,53.75 44,57.25 44,58 44.25,58.25 52.5,58.25 54.25,56.5 59.5,56.5 59.5,61.75 63,61.75 63,62.25 62.5,62.75 58.75,62.75 58.25,62.25 58.25,58.25 57.75,57.75 55,57.75 53.25,59.5 43.5,59.5 42.75,58.75 42.75,57.5 40.25,55 32.5,55 30,52.5 30,45 26.25,41.25 18.25,41.25 16.75,39.75
12V on L4 - Secondary "NONET_L03_P-001" (solid, pour order 109): 8.5,37.25 4.25,41.5 4.25,47.25 8.5,51.5 8.5,71.5 7.5,72.5 7.5,76 10.25,78.75 13.5,78.75 13.5,82.25 9.5,82.25 5.25,78 5.25,52 1.5,48.25 1.5,40 5.25,36.25 5.25,29.25 1.5,25.5 1.5,18.75 9.75,18.75 9.75,24.5 8.5,25.75
3V3 on L4 - Secondary "NONET_L03_P-001" (solid, pour order 108): 36.25,72.5 43,72.5 43,73.75 11.25,73.75 9.5,75.5 8,75.5 8,74.5 8.5,74.5 11.25,71.75 23,71.75 24,72.75 30.75,72.75 32.25,71.25 32.25,69 35,69 35,71.25
5V0L on L4 - Secondary "NONET_L03_P-001" (solid, pour order 105): 51.75,67 51.25,66.5 51.25,63 50,61.75 41.25,61.75 38,58.5 30.75,58.5 26.5,54.25 26.5,47.75 25.25,46.5 20.5,46.5 16.25,42.25 15,42.25 15,44 15.75,44 19.75,48 24.25,48 25,48.75 25,55.5 29.5,60 37,60 40.25,63.25 49,63.25 49.75,64 49.75,67 51,68.25 53,68.25 54.25,69.5 54.25,74.5 57.75,78 61.75,78 62.25,78.5 62.25,84 65.25,84 65.25,80.25 67,78.5 71.5,78.5 71.5,75.5 58,75.5 55.75,73.25 55.75,67
5V_SYS on L4 - Secondary "NONET_L03_P-001" (solid, pour order 103): 64,61.75 62.75,63 58.5,63 55.25,59.75 43,59.75 42.25,59 42.25,57.5 40.197,55.447 31.947,55.447 29.25,52.75 29.25,45 27.25,43 26.5,43 25.25,41.75 22.75,41.75 22.5,42 22.5,44.25 22.75,44.5 25.75,44.5 27.25,46 27.25,53.75 30.75,57.25 39.25,57.25 40.25,58.25 40.25,59.75 41.75,61.25 54,61.25 57.25,64.5 62,64.5 62.5,64 65,64 65,61.75 64.25,61.75
GND on L4 - Secondary "NONET_L03_P-001" (solid, pour order 101): 59.75,55.75 59.75,61.5 65.75,61.5 65.75,55.75
GND on L4 - Secondary "NONET_L03_P-001" (solid, pour order 100): 67.725,24 68.975,24 69.225,23.75 69.975,23.75 69.975,25 69.225,25 68.975,24.75 67.725,24.75
WHITE_LED_CATHODE on L4 - Secondary "NONET_L03_P-001" (solid, pour order 99): 15.25,82.25 16.5,82.25 16.5,77 15.25,77
RED_LED_CATHODE on L4 - Secondary "NONET_L03_P-001" (solid, pour order 98): 13.75,82.25 15,82.25 15,77 13.75,77
SD_VCC on L4 - Secondary "NONET_L03_P-001" (solid, pour order 88): 68,21.7 72.7,21.7 73.75,22.75 73.75,28 72,28 72,23 71.6,22.6 68,22.6
5V4 on L4 - Secondary "NONET_L03_P-001" (solid, pour order 75): 19.25,23.25 20.5,24.5 20.5,37.25 19,37.25 19,25.25 17,23.25 16.75,23 12.75,23 12.75,14.5 17.75,9.5 17.75,6 19.25,6 19.25,10 14,15.25 14,21.5 19.25,21.5
GND on L4 - Secondary "NONET_L03_P-001" (solid, pour order 87): 67.475,15.75 70.5,15.75 70.5,13.25 67.475,13.25
GND on L4 - Secondary "NONET_L03_P-001" (solid, pour order 85): 54.75,27.25 58.975,27.25 58.975,28 66.225,28 66.225,27 70.225,27 70.225,29 54.75,29
GND on L4 - Secondary "NONET_L03_P-001" (solid, pour order 65): 49.5,82.75 49.5,79 48,79 48,82.75 28.25,82.75 28.25,78.75 25.25,78.75 25.25,82.75 18,82.75 18,78.75 16.75,78.75 16.75,82.75 9,82.75 9,87.75 53,87.75 53,82.75
GND on L2 - GND "GND_L02_P051" (solid, pour order 51): 0,2.5 ccw(c2.5,2.5) 2.5,0 97.5,0 ccw(c97.5,2.5) 100,2.5 100,97.5 ccw(c97.5,97.5) 97.5,100 2.5,100 ccw(c2.5,97.5) 0,97.5
GND on L3 - GND "GND_L03_P052" (solid, pour order 52): 0,2.5 ccw(c2.5,2.5) 2.5,0 97.5,0 ccw(c97.5,2.5) 100,2.5 100,97.5 ccw(c97.5,97.5) 97.5,100 2.5,100 ccw(c2.5,97.5) 0,97.5

## Silkscreen, mask and mechanical layers (free items; w line width, h text height)
Top Overlay:
  lines w0.15: 58.5,56.9 59.4,56
  lines w0.2: 3.8,75.4 3.8,74.5 3.8,74.95 3.85,75 5.4,75 ; 11.4,16.8 11.6,16.8 ; 12.2,75 12.2,75.9 ; 12.25,75.5 13,75.5 ; 14.9,16.8 15.9,16.8 ; 42.5,24.4 44.5,24.4 ; 47.1,75.3 47.1,75.7 50.5,75.7 ; 50.5,76.3 50.5,75.7 ; 53.9,75.3 53.9,75.7 50.5,75.7
  lines w0.3: 7,50.5 ccw(c8,50.5) 8,49.5 28.75,49.5 ccw(c28.75,50.5) 29.75,50.5 29.75,55.5 ccw(c28.75,55.5) 28.75,56.5 8,56.5 ccw(c8,55.5) 7,55.5 7,50.5
  text "THROTTLES" at 47.393,76.592 h1.5
  text "WHITE LED" at 9.062,76.192 h1.5
  text "RED LED" at 2.596,75.692 h1.5
  text "CATHODE" at 13.224,75.092 h1.5
  text "CATHODE" at 5.724,74.592 h1.5
  text "RIGHT" at 45.423,74.092 h1.5
  text "LEFT" at 52.594,74.092 h1.5
  text "GATE" at 11.571,73.892 h1.5
  text "GATE" at 2.371,73.392 h1.5
  text "RTC OSCO" at 59.345,72.767 h1.5 r45
  text "RTC OSCI" at 61.853,72.776 h1.5 r45
  text "3V COIN" at 57.039,72.711 h1.5 r45
  text "GND" at 62.892,67.943 h1.25
  text "MISO" at 60.469,57.254 h1.5 r315
  text "MOSI" at 58.77,57.203 h1.5 r315
  text "SCK" at 62.754,56.718 h1.5 r315
  text "CS" at 57.814,56.208 h1.5 r315
  text "TFT DISPLAY" at 65.594,56.075 h2 r90
  text "GND" at 45.057,49.892 h1.25 r90
  text "E-SCOOTER - CONTROL  / INTERFACE BOARD / FARRIS MATAR / NOVEMBER 2025" at 7.832,49.851 h2
  text "OSC32 / IN" at 40.897,46.591 h1.5
  text "OSC IN" at 32.145,45.842 h1.5
  text "3V3" at 33.257,43.021 h1.25 r90
  text "3V3L" at 3.307,41.853 h1.25 r90
  text "OSC322 / OUT" at 42.788,39.933 h1.25
  text "5V0L" at 3.307,37.103 h1.25 r90
  text "SD EN" at 73.64,36.445 h1.25 r90
  text "OSC OUT" at 35.193,34.119 h1.4
  text "5V4" at 3.307,32.696 h1.25 r90
  text "SD SW G" at 68.6,28.682 h1.5
  text "5V SYS" at 37.076,28.5 h1.25 r90
  text "12V" at 3.307,27.946 h1.25 r90
  text "5V0" at 37.057,24.696 h1.25 r90
  text "RST" at 42.526,23.392 h1.5
  text "VSYS STAT" at 8.614,20.092 h1.5
  text "GND" at 38.807,19.642 h1.25 r90
  text "CHG" at 9.567,16.46 h1.25
  text "PGOOD" at 11.956,16.412 h1.15
  text "STAT" at 16.218,16.412 h1.15
  text "GATE" at 20.171,13.28 h1.5
  text "VBAT" at 9.491,2.943 h1.25
Bottom Overlay:
  drawing of 803 lines, arcs and shapes, not listed
  text "LED POWER" at 0.779,78.944 h2 r180
  text "GND" at 49.489,78.908 h1.5 r180
  text "RIGHT  / THROTTLE" at 57.593,78.735 h2 r180
  text "UI CONTROL" at 39.145,78.544 h2 r180
  text "LEFT / THROTTLE" at 66.485,78.157 h2 r90
  text "IRQ" at 49.499,77.802 h1.5 r180
  text "I2C  / DEBUG" at 50.593,77.735 h2 r180
  text "SDA" at 49.483,76.658 h1.5 r180
  text "LED CONTROL" at 31.222,75.794 h2 r180
  text "SCL" at 49.524,75.658 h1.5 r180
  text "RTC / BATTERY" at 55.235,62.407 h2 r90
  text "GND" at 7.535,58.132 h1.5
  text "RED" at 7.47,55.592 h1.5
  text "WHITE" at 8.887,53.052 h1.5
  text "MCU DEBUG" at 66.794,50.168 h2 r90
  text "LED PWM DEBUG" at 3.006,39.719 h2 r270
  text "MICROSD CARD" at 68.508,29.006 h2
  text "BC-MPR 12V  / POWER" at 4.267,27.132 h2 r270
  text "BACKUP BATTERY POWER" at 31.684,25.287 h3 r270
  text "MISO" at 43.45,21.592 h1.5
  text "GND" at 43.45,20.342 h1.5
  text "SCK" at 43.45,19.092 h1.5
  text "SD CARD / SPI DEBUG" at 54.996,18.265 h2
  text "MOSI" at 43.45,17.842 h1.5
  text "GND" at 43.45,16.592 h1.5
  text "CS" at 43.45,15.342 h1.5
  text "BC-MPR UART" at 51.991,14.277 h2
  text "BC-MPR DATA" at 46.008,11.455 h2
  text "DEBUG UART" at 51.991,10.275 h2
Mechanical 1:
  the board outline again, w0.25